# Altium PCB MU_MP_39_V1_ASMB.PcbDoc (part 8 of 15)
Units mm, origin at the board's own origin, x right, y up, seen from the top; angles counter-clockwise.
Board outline 133 x 94 mm, 8 copper layers (Top Layer, GND_1, POWER_1, POWER_2, GND_2, Inner_Layer, GND_3, Bottom Layer), stack 1.468 mm thick; 934 components, 729 nets, 4006 pads, 2645 vias.
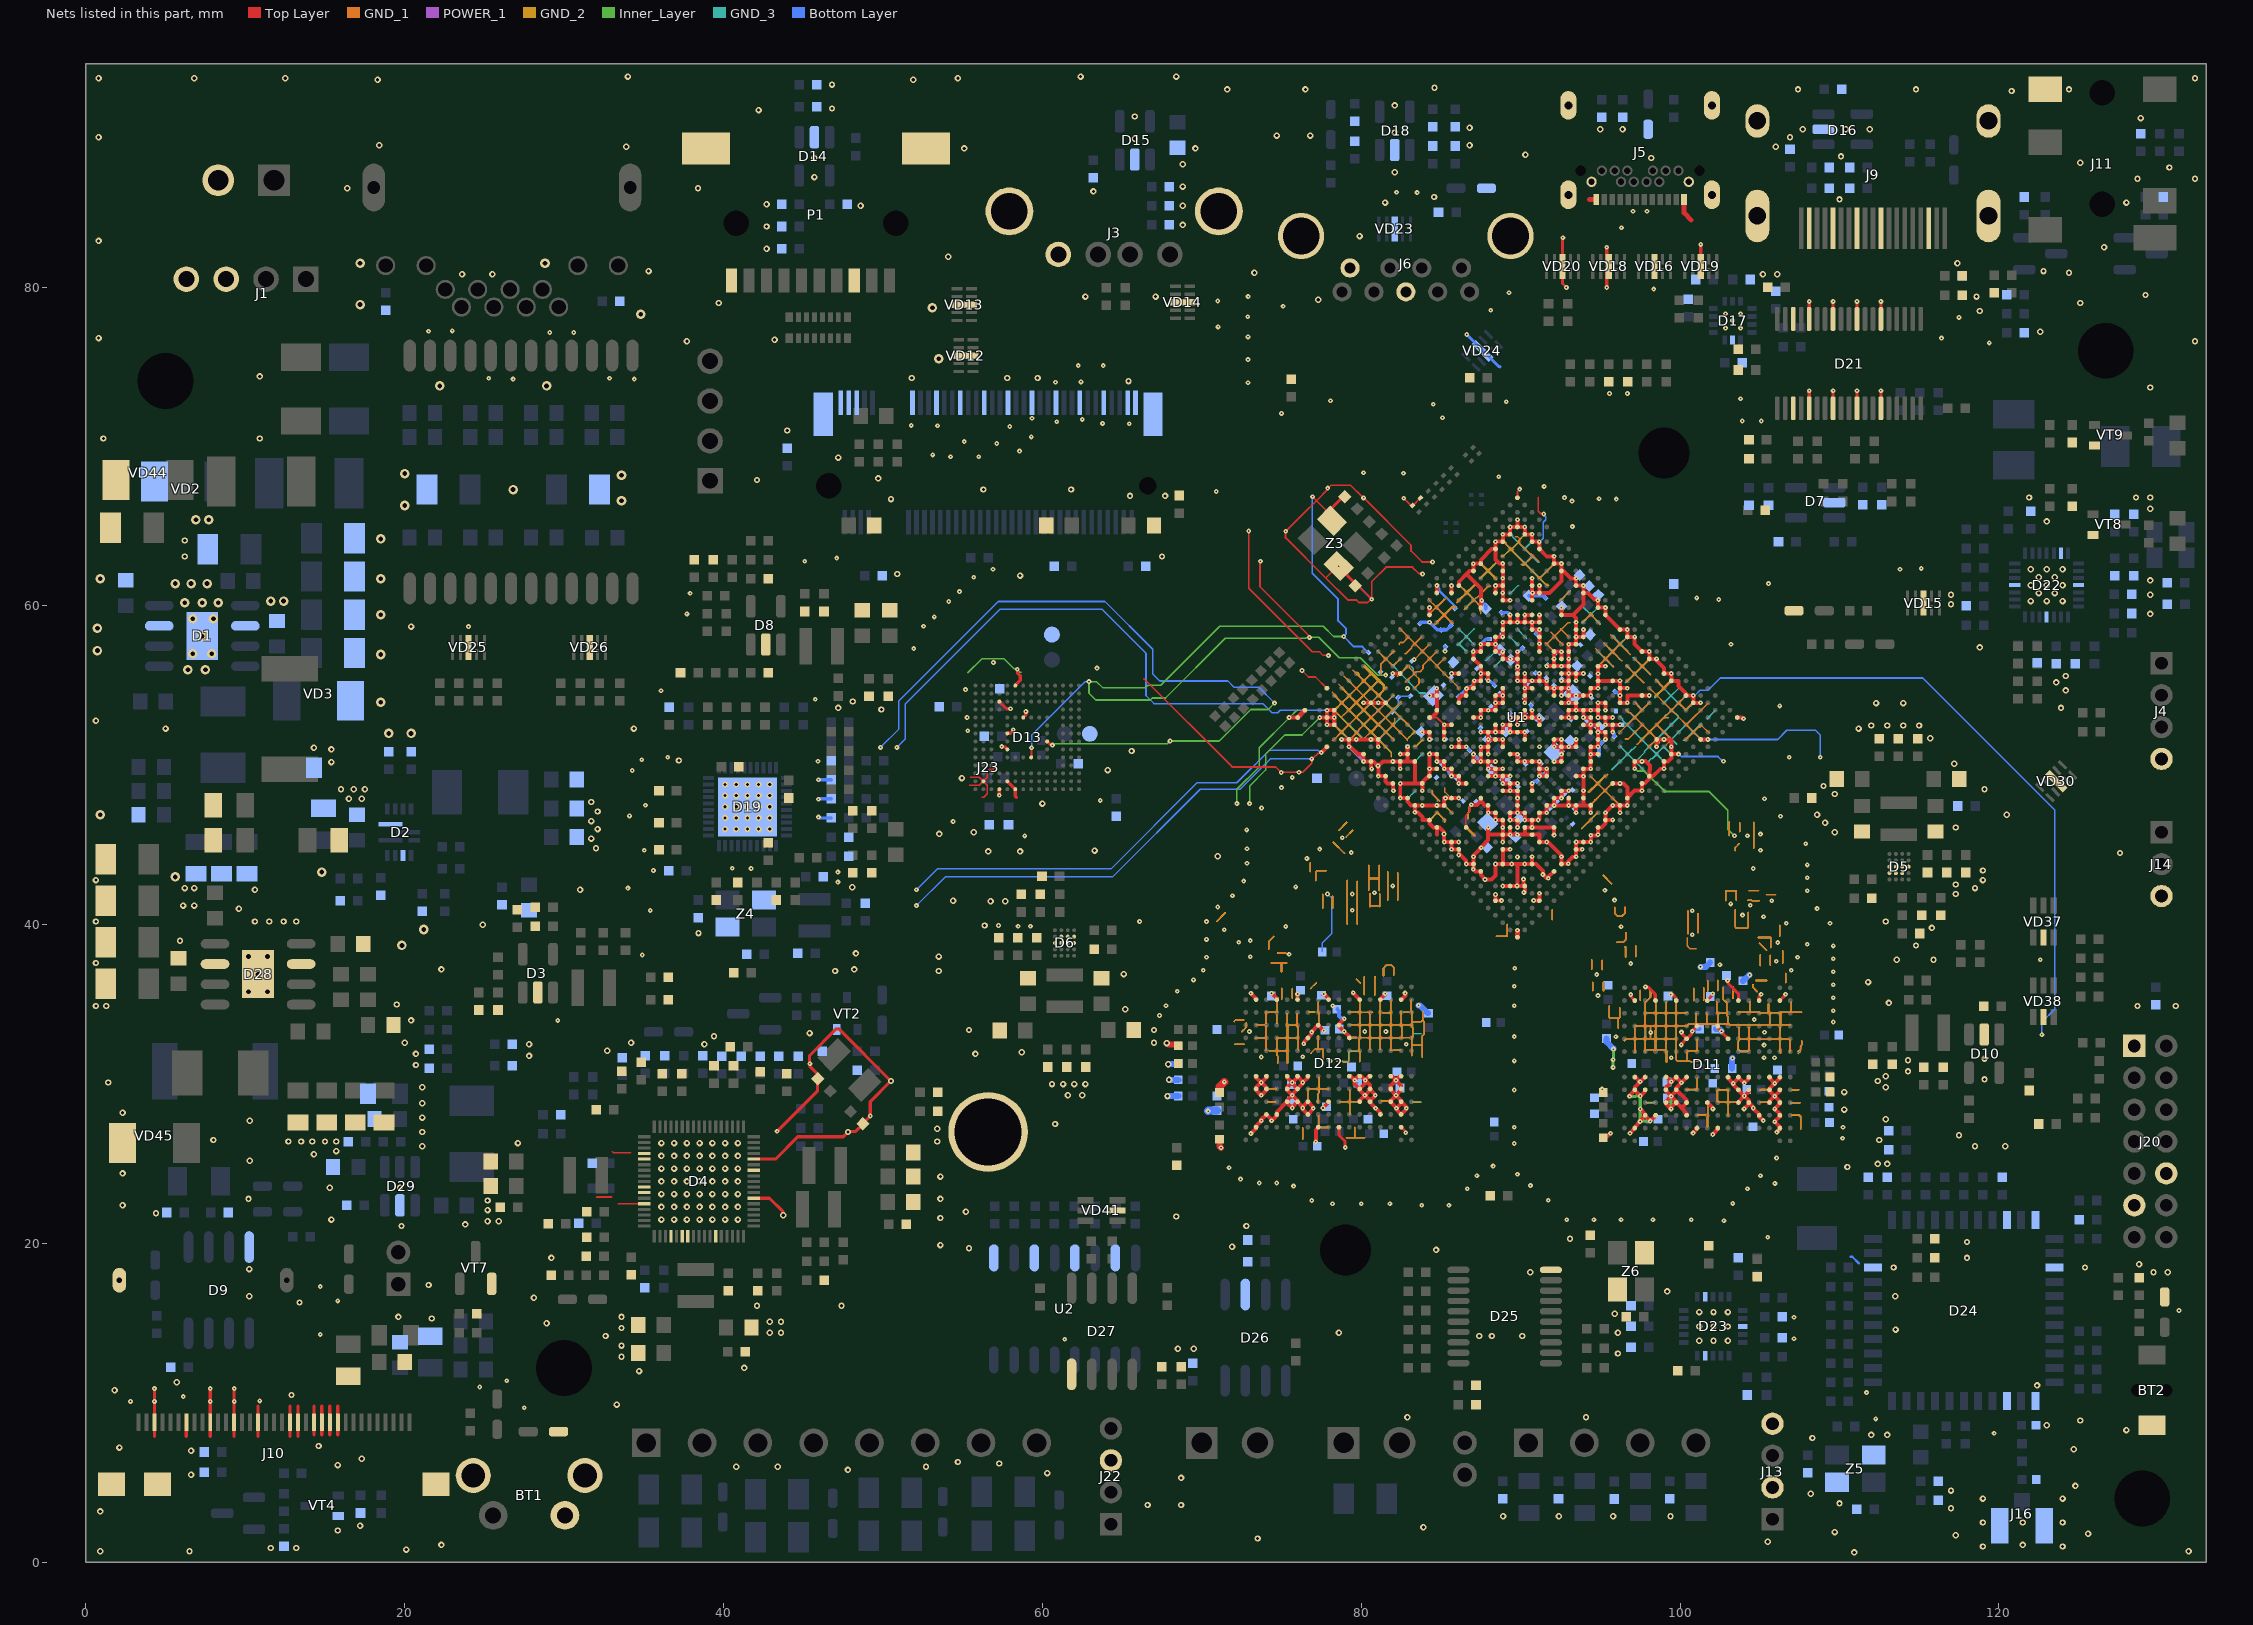
[diagram p14: the nets of this part, all layers, seen from the top]

## Via types
v1: diameter 0.3, hole 0.1, Top Layer to Bottom Layer, tented both sides, 1670 vias
v2: diameter 0.4, hole 0.2, Top Layer to Bottom Layer, tented both sides, 843 vias
v3: diameter 0.6, hole 0.3, Top Layer to Bottom Layer, tented both sides, 132 vias

## Nets (pads, with @x,y where several pads share a name; then routed paths per layer and width w, separated by ;. In a path a pad name is that pad's centre, name@x,y a point inside that pad or via, vN(x,y) a via of type N, cw(c..) or ccw(c..) an arc to the next point about the centre after c; other vN are vias at no path point) (continued)
GND: (continued)
  GND_1 w0.1: 70.95,40.225 71.475,40.75 ; 72.025,33.925 72.125,34.025 72.625,34.025 ; 72.075,32.5 72.675,32.5 ; 72.5,33.275 72.5,33.288 72.8,33.588 72.8,33.85 ; 73.4,33.725 73.925,33.725 ; 73.425,32.875 74.025,32.875 ; 74.025,32.15 74.025,32.875 ; 74.025,33.634 74.025,32.875 ; 74.025,33.811 74.025,34.511 ; 74.1,28.875 74.65,28.875 ; 74.15,29.7 74.65,29.7 ; 74.175,34.5 74.625,34.5 ; 74.2,38.45 74.2,38.95 74.525,39.275 ; 74.225,32.1 74.7,32.1 ; 74.375,37.6 75,37.6 ; 74.7,33.825 74.7,34.35 ; 74.725,34.55 74.725,35.15 ; 74.768,31.318 74.768,31.768 74.7,31.836 74.7,32.1 ; 74.775,38.225 75.25,38.225 ; 75,37.05 75,37.6 ; 75.025,35.325 75.025,36 ; 75.325,37.6 75,37.6 ; 75.35,34.4 75.35,33.7 ; 75.375,31.325 75.375,32.1 ; 75.675,35.4 75.675,35.975 ; 75.975,34.375 75.975,33.725 ; 76.05,32.15 76.05,32.875 ; 76.325,26.55 76.325,27.25 ; 76.65,28.9 76.65,29.575 ; 76.7,29.7 77.325,29.7 ; 76.8,43.325 76.8,43.875 ; 76.825,36 77.175,36.35 ; 76.85,31.95 77.1,32.2 77.3,32.2 ; 77.15,42.773 77.15,43.316 77.209,43.375 77.794,43.375 ; 77.275,28.8 77.299,28.824 77.299,29.404 77.325,29.431 77.325,29.7 ; 77.3,27.3 77.325,27.325 77.325,28.05 ; 77.3,33.025 77.3,32.2 ; 77.3,35.15 77.3,34.5 77.325,34.475 77.325,33.7 ; 77.325,30.475 77.325,29.7 ; 77.425,27.275 77.95,27.275 ; 77.575,41.025 77.575,41.9 ; 77.625,31.525 77.625,32.175 77.6,32.2 77.3,32.2 ; 77.95,29.675 77.925,29.7 77.325,29.7 ; 78.15,53.4 78.275,53.4 78.799,53.924 ; 78.175,51.575 78.258,51.575 78.754,52.071 ; 78.2,41.05 78.2,41.775 ; 78.2,54.575 78.472,54.303 78.472,54.251 78.799,53.924 ; 78.25,45.179 78.25,45.175 78.95,44.475 ; 78.325,52.625 78.325,52.5 78.754,52.071 ; 78.6,45.925 79.1,46.425 ; 78.6,55.075 78.932,54.743 78.932,54.715 79.261,54.386 ; 78.675,28.9 79.275,28.9 ; 78.75,53.025 78.886,53.161 78.904,53.161 79.234,53.49 ; 78.9,55.6 79.688,54.813 ; 79.05,26.625 79.6,26.625 ; 79.05,45.5 79.475,45.925 ; 79.125,40.025 79.125,42.8 ; 79.25,32.925 79.7,32.925 ; 79.275,28.125 79.275,28.9 ; 79.275,29.625 79.275,28.9 ; 79.275,34.5 79.9,34.5 ; 79.275,51.6 79.851,52.176 79.851,52.226 80.174,52.549 ; 79.3,33.725 79.9,33.725 ; 79.475,55.975 80.163,55.288 ; 79.6,27.3 79.6,26.625 ; 79.7,36.575 79.95,36.325 ; 79.75,40.025 79.75,42.725 ; 79.825,28.9 79.275,28.9 ; 79.9,31.4 79.9,32.025 79.875,32.05 79.875,32.85 79.9,32.875 79.9,33.725 ; 79.9,35.25 79.9,34.5 ; 80,32.9 80.525,32.9 ; 80.15,51.65 80.612,52.112 ; 80.2,35.625 80.2,36.725 ; 80.225,26.625 79.6,26.625 ; 80.475,42.175 80.475,42.9 ; 80.475,43.725 80.475,42.9 ; 80.525,32.2 80.525,32.9 ; 80.525,34.375 80.525,33.725 ; 80.55,41.125 80.55,41.2 ; 80.55,41.95 80.55,41.2 ; 80.675,55.8 80.163,55.288 ; 80.725,34.5 79.9,34.5 ; 80.85,35.575 80.85,36.7 80.875,36.725 ; 80.95,51.5 81.087,51.637 ; 81.025,57.175 81.544,56.656 ; 81.125,42.15 81.125,42.9 ; 81.125,43.725 81.125,42.9 ; 81.175,41.125 81.175,41.2 ; 81.175,41.95 81.175,41.2 ; 81.2,32.2 81.2,32.9 ; 81.2,35.275 81.2,34.575 81.175,34.55 81.175,33.725 ; 81.2,55.325 81.069,55.325 80.597,54.853 ; 81.225,28.925 81.775,28.925 ; 81.225,55.675 81.225,56.338 81.544,56.656 ; 81.35,34.475 81.725,34.475 ; 81.4,36.8 81.4,37.275 81.575,37.45 81.9,37.45 82.05,37.3 82.05,36.825 ; 81.475,51.125 81.475,51.249 81.087,51.637 ; 81.6,54.9 81.583,54.9 81.067,54.383 ; 81.675,41.525 81.675,43.325 ; 81.85,32.125 81.85,32.9 ; 81.85,35.275 81.85,33.725 ; 81.975,32.125 82.45,32.125 ; 82.05,51.55 82.05,51.597 81.549,52.098 ; 82.075,54.375 82,54.375 81.538,53.913 ; 82.1,52.95 82.1,52.65 81.975,52.525 ; 82.1,57.15 82.037,57.15 81.556,56.669 ; 82.275,55.575 82.913,56.213 ; 82.3,41.525 82.3,43.25 ; 82.375,57.575 82.375,57.625 82.454,57.704 82.632,57.704 82.808,57.88 82.808,57.9 82.946,58.038 82.963,58.038 ; 82.4,58.6 82.963,58.038 ; 82.5,34.525 82.5,33.725 ; 82.5,53.975 82.475,53.975 81.975,53.475 ; 82.55,32.875 82.55,32.9 ; 82.55,56.725 82.5,56.725 82.05,56.275 81.95,56.275 81.556,56.669 ; 82.7,34.5 82.975,34.5 ; 82.725,57 82.801,57 83.177,57.376 83.177,57.452 83.363,57.638 ; 82.775,55.225 83.008,55.458 83.032,55.458 83.308,55.734 ; 82.9,51.55 82.9,51.6 81.975,52.525 ; 83.05,32.9 82.55,32.9 ; 83.05,56.275 83.05,56.1 83.362,55.788 ; 83.15,35.275 83.15,34.575 83.175,34.55 83.175,33.925 ; 83.175,31.775 83.175,32.45 ; 83.325,54.825 83.623,55.123 83.623,55.422 83.437,55.609 83.433,55.609 83.308,55.734 ; v1(83.329,56.64) 83.34,56.64 83.85,57.15 ; 83.4,52.05 83.4,52.085 82.66,52.825 82.625,52.825 81.975,53.475 ; 83.8,58.075 83.668,57.943 83.668,57.932 83.492,57.756 83.481,57.756 83.363,57.638 ; 83.825,31.7 83.825,32.45 ; 83.85,34.55 83.85,34 ; 84.225,59.45 84.702,59.926 ; 84.225,60.475 84.225,60.403 84.702,59.926 ; 84.275,57.575 83.85,57.15 ; 84.45,48.425 84.45,48.225 84.925,47.75 ; 84.525,58.85 84.656,58.85 85.217,59.411 ; 84.75,47.1 84.906,46.944 84.906,46.903 85.275,46.534 85.275,46.475 ; 84.75,57.15 84.3,56.7 ; 85.2,47.5 85.225,47.5 85.75,46.975 ; 85.25,48.6 85.25,48.325 85.625,47.95 ; 85.3,56.725 85.224,56.725 84.75,56.25 ; 85.375,60.525 84.904,60.054 84.829,60.054 84.702,59.926 ; 85.734,58.894 85.528,59.1 85.217,59.411 ; 85.925,59.9 85.706,59.9 85.217,59.411 ; 86.001,60.2 86.458,60.658 86.483,60.658 86.638,60.813 ; 86.05,61.4 86.638,60.813 ; 86.1,54.775 86.1,54.879 84.903,56.076 84.903,56.097 84.75,56.25 ; 86.475,59.775 87.075,60.375 ; 86.55,46.175 87.15,45.575 ; 86.675,46.7 86.675,46.975 86.765,47.065 86.765,47.365 86.9,47.499 v1(86.9,47.523) ; 87.15,61.325 86.638,60.813 ; 87.425,61.725 87.461,61.725 87.963,62.227 ; 87.5,59.525 87.5,59.95 87.075,60.375 ; 87.5,62.7 87.663,62.537 87.663,62.527 87.963,62.227 ; 88.125,61.225 87.974,61.225 87.251,60.502 87.202,60.502 87.075,60.375 ; 88.425,61.75 88.425,61.775 88.308,61.892 88.298,61.892 87.963,62.227 ; 88.475,39.275 89.15,39.275 89.15,40.025 ; 88.525,62.725 88.45,62.725 88.263,62.538 88.263,62.527 87.963,62.227 ; 88.925,64.125 89.098,63.952 89.098,63.852 89.425,63.525 89.575,63.525 ; 89.675,64.35 89.8,64.35 89.957,64.193 89.957,63.899 90.586,63.271 90.654,63.271 90.788,63.138 ; 90.05,62.6 90.244,62.6 90.597,62.953 90.603,62.953 90.788,63.138 ; 91.1,61.8 91.275,61.8 92.125,62.65 ; 91.125,62.775 91.125,62.8 90.788,63.138 ; 91.55,57.675 91.575,57.675 91.638,57.613 ; 91.9,58.35 92.138,58.113 ; 91.975,40.325 91.975,40.925 ; 92.2,57.05 91.638,57.613 ; 92.425,60.275 93.05,60.9 93.125,60.9 ; 92.5,58.575 92.55,58.525 ; 92.65,57.55 92.65,57.581 92.475,57.756 92.434,57.756 92.258,57.932 92.258,57.992 92.138,58.113 ; 93.025,58.025 93.025,58.05 92.55,58.525 ; 93.125,58.95 92.975,58.95 92.55,58.525 ; 93.85,58.975 94.01,59.135 94.061,59.135 94.427,59.5 94.45,59.5 ; 93.875,46.075 94.425,46.625 ; 94.3,48.3 94.85,48.85 ; 94.375,47.625 94.496,47.625 95.286,48.414 ; 94.375,59.575 94.45,59.5 ; 94.4,49.3 94.85,48.85 ; 94.45,37.2 94.45,37.8 ; 94.525,35.85 94.525,36.4 ; 94.725,57.35 94.725,57.304 95.262,56.766 95.339,56.689 ; 94.8,56.125 94.8,56.15 95.339,56.689 ; 94.975,58.825 94.975,58.892 94.556,59.311 94.556,59.394 94.45,59.5 ; 95.1,37.2 95.1,37.75 ; 95.125,37.175 95.125,37.775 ; 95.175,43.1 95.7,42.575 ; 95.2,35.875 95.2,36.4 ; 95.225,57.675 95.775,57.125 ; 95.45,49.425 95.425,49.425 94.85,48.85 ; 95.55,34.925 95.55,34.175 95.6,34.125 96.125,34.125 ; 95.65,58.175 96.238,57.588 ; 95.8,56.15 95.8,56.229 95.339,56.689 ; 95.845,48.974 95.286,48.414 ; 95.9,41.1 95.9,40.714 ; 96.025,38.9 96.425,38.9 ; 96.125,33.5 96.125,34.125 ; 96.175,51.975 96.175,52.025 97.17,53.02 ; 96.225,34.8 96.225,34.184 96.166,34.125 96.125,34.125 ; 96.275,47.375 96.275,47.425 95.286,48.414 ; 96.363,40.537 96.55,40.724 ; 96.375,56.55 96.35,56.55 95.775,57.125 ; 96.5,32.725 96.625,32.85 ; 96.55,41.1 96.55,40.725 96.362,40.537 ; 96.575,32.85 96.625,32.85 ; 96.575,38 96.575,38.6 ; 96.575,51.65 96.75,51.65 97.645,52.545 ; 96.6,37.95 96.6,38.625 ; 96.6,39.5 96.6,39.338 96.602,39.336 96.602,39.077 ; 96.6,53.475 96.784,53.291 96.899,53.291 97.17,53.02 ; 96.6,55.225 96.625,55.225 97.15,55.75 ; 96.625,39.481 96.625,39.1 96.602,39.077 ; 96.625,56.275 97.15,55.75 ; 96.7,58.05 96.238,57.588 ; 96.875,56.925 96.875,56.95 96.238,57.588 ; 97.15,33.5 97.15,32.85 ; 97.15,56.7 97.625,56.225 ; 97.175,32.025 97.175,32.515 97.15,32.54 97.15,32.85 ; 97.2,53.95 97.313,53.837 97.313,53.762 97.613,53.463 ; 97.225,38 97.225,38.65 ; 97.25,33.625 97.8,33.625 ; 97.25,33.675 97.8,33.675 ; 97.3,51.325 97.325,51.325 98.095,52.095 ; 97.5,35.275 97.5,35.875 ; 97.75,55.175 97.725,55.175 97.15,55.75 ; 97.825,32.025 97.825,32.15 ; 97.85,33.675 98.475,33.675 ; 98,51.125 98.533,51.658 ; 98.075,53.925 97.613,53.463 ; 98.1,54.85 98.1,54.825 98.55,54.375 ; 98.125,55.675 98.125,55.725 97.625,56.225 ; 98.15,35.875 98.15,35.45 97.825,35.125 97.825,34.475 ; 98.15,56.75 97.625,56.225 ; 98.451,32.15 97.825,32.15 ; 98.463,32.138 98.463,32.85 ; 98.475,32.15 99.092,32.15 ; 98.475,35.125 98.475,34.475 ; 98.475,55.375 99.013,54.838 ; 98.7,51.375 98.7,51.49 98.533,51.658 ; 99.125,35.125 99.125,34.475 ; 99.125,51.25 99.125,51.275 99.463,51.613 98.975,52.1 98.538,52.538 ; 99.15,31.375 99.15,32.025 99.092,32.083 99.092,32.15 ; 99.525,55.35 99.013,54.838 ; 99.775,35.275 99.775,34.475 ; 100.275,51.6 100.363,51.6 100.844,52.081 ; 100.375,54.375 99.925,53.925 ; 100.4,29.675 101.016,29.675 101.075,29.734 101.075,30.4 ; 100.425,34.475 99.775,34.475 ; 100.45,39.175 100.45,38.675 100.625,38.5 101.025,38.5 ; 100.5,39.45 100.5,40.875 ; 100.85,35.25 100.85,36 ; 100.95,53.925 100.8,53.925 100.363,53.488 99.925,53.925 ; 101.025,34.425 101.025,33.775 ; 101.075,32.775 101.075,32.1 ; 101.125,28.05 101.6,28.05 ; 101.125,32.1 101.075,32.1 ; 101.125,39.5 101.125,40.7 ; 101.175,31.425 100.861,31.425 100.852,31.416 100.661,31.416 100.652,31.425 100.45,31.425 ; 101.35,51.575 100.844,52.081 ; 101.475,35.275 101.475,36.058 ; 101.675,34.45 101.675,33.775 ; 101.725,27.325 101.725,27.925 101.75,27.95 101.75,28.725 ; 101.75,35.825 101.75,36.475 ; 101.75,53.9 100.388,52.538 ; 101.825,52.025 101.35,52.5 101.232,52.382 101.145,52.382 100.844,52.081 ; 102.3,35.15 102.3,34.45 102.375,34.375 ; 102.35,29.525 102.35,28.934 102.409,28.875 103.025,28.875 ; 102.375,29.625 102.966,29.625 103.025,29.566 103.025,28.875 ; 102.375,35.85 102.375,36.525 ; 102.7,36.075 102.7,35.325 102.925,35.1 102.925,34.45 ; 102.875,41.5 102.875,42.125 103.525,42.125 103.525,41.55 ; 103.025,28 103.025,28.875 ; 103.075,45.575 103.075,46.45 ; 103.325,35.4 103.325,36.1 ; 103.475,40.95 103.475,39.834 103.534,39.775 104.216,39.775 104.275,39.834 104.275,40.775 ; 103.475,44.65 103.475,44.85 103.7,45.075 ; 103.575,28.875 103.025,28.875 ; 103.625,32.15 103.625,32.65 ; 103.7,34.525 103.725,34.5 104.35,34.5 ; 103.725,32.825 103.725,33.525 ; 103.75,45.85 103.75,46.4 ; 103.8,32.825 104.325,32.825 ; 103.825,32.025 104.175,32.025 ; 104.25,41.525 104.489,41.525 104.514,41.5 104.98,41.5 ; 104.3,42.125 104.95,42.125 ; 104.325,32.1 104.325,32.825 ; 104.325,33.55 104.325,32.825 ; 104.375,35.175 104.375,34.525 104.35,34.5 ; 104.575,36.225 104.575,36.075 104.85,35.8 ; 104.625,44.8 104.625,46.425 ; 104.75,36.5 105.45,36.5 ; 104.9,39.2 105.675,39.2 105.7,39.175 105.7,38.55 ; 104.975,38.85 105.425,38.4 ; 105.025,37.436 105.025,38.111 ; 105.075,28.875 105.525,28.875 105.55,28.9 ; 105.1,29.675 105.45,29.675 ; 105.4,41.875 106,41.875 ; 105.55,35.05 105.55,34.475 ; 105.65,37.45 105.65,38.075 ; 106.25,33.55 106.25,33.382 106.263,33.37 106.263,32.825 ; 106.25,39.275 106.25,39.975 ; 106.263,32.824 106.255,32.816 106.255,32.27 106.3,32.225 106.3,31.95 ; 106.45,37.6 106.45,38.35 ; 106.625,36.375 106.625,36.95 ; 106.9,32.125 106.9,32.7 ; 106.925,32.825 106.263,32.825 ; 106.925,33.725 106.3,33.725 ; 106.975,28.825 107.5,28.825 ; 106.975,35.15 106.975,34.5 ; 107,28.075 107.5,28.075 107.575,28 107.575,27.2 ; 107.075,29.65 107.475,29.65 ; 107.425,31.95 107.585,32.11 107.585,32.398 107.65,32.463 107.65,32.7 ; 107.625,34.5 106.975,34.5 ; 74.7,32.1 74.7,32.875 75.375,32.875 ; 74.7,32.1 75.375,32.1 ; 75.35,33.7 75.35,33.625 75.375,33.6 75.375,32.875 ; 75.35,33.7 75.95,33.7 75.975,33.725 ; 75.375,32.1 75.375,32.875 ; 75.375,32.875 76.05,32.875 ; 75.975,33.725 75.975,33.65 76.05,33.575 76.05,32.875 ; 78.754,52.071 79.704,53.02 ; 78.799,53.924 79.261,54.386 ; 78.799,53.924 79.234,53.49 ; 79.234,53.49 79.695,53.952 ; 79.234,53.49 79.704,53.02 ; 79.261,54.386 79.695,53.952 ; 79.261,54.386 79.688,54.813 ; 79.688,54.813 80.122,54.378 ; 79.688,54.813 80.163,55.288 ; 79.695,53.952 80.122,54.378 ; 79.695,53.952 80.165,53.482 ; 79.704,53.02 80.165,53.482 ; 79.704,53.02 80.174,52.549 ; 79.9,33.725 79.9,34.5 ; 79.9,33.725 80.525,33.725 ; 80.122,54.378 80.592,53.908 ; 80.122,54.378 80.597,54.853 ; 80.163,55.288 80.597,54.853 ; 80.165,53.482 80.592,53.908 ; 80.165,53.482 80.636,53.011 ; 80.174,52.549 80.636,53.011 ; 80.174,52.549 80.612,52.112 ; 80.475,42.9 81.125,42.9 ; 80.525,32.9 80.525,33.725 ; 80.525,32.9 81.2,32.9 ; 80.525,33.725 81.175,33.725 ; 80.55,41.2 81.175,41.2 ; 80.592,53.908 81.063,53.438 ; 80.592,53.908 81.067,54.383 ; 80.597,54.853 81.067,54.383 ; 80.612,52.112 81.087,51.637 ; 80.612,52.112 81.074,52.573 ; 80.636,53.011 81.063,53.438 ; 80.636,53.011 81.074,52.573 ; 81.063,53.438 81.5,53 ; 81.063,53.438 81.538,53.913 ; 81.067,54.383 81.538,53.913 ; 81.074,52.573 81.5,53 ; 81.074,52.573 81.549,52.098 ; 81.087,51.637 81.549,52.098 ; 81.175,33.725 81.175,33.625 81.2,33.6 81.2,32.9 ; 81.175,33.725 81.85,33.725 ; 81.2,32.9 81.85,32.9 ; 81.5,53 81.975,52.525 ; 81.5,53 81.975,53.475 ; 81.538,53.913 81.975,53.475 ; 81.544,56.656 81.556,56.669 ; 81.549,52.098 81.975,52.525 ; 81.85,32.9 81.85,33.725 ; 81.85,32.9 82.55,32.9 ; 81.85,33.725 82.5,33.725 ; 82.5,33.725 83.15,33.725 83.175,33.7 ; 82.5,33.725 82.5,33.625 82.55,33.575 82.55,32.9 ; 82.963,58.038 83.363,57.638 ; 83.175,32.45 83.825,32.45 ; 83.175,32.45 83.175,32.95 83.225,33 83.225,33.55 83.175,33.6 83.175,33.7 ; 83.175,33.7 83.175,33.925 ; 83.175,33.925 83.775,33.925 83.85,34 ; 83.308,55.734 83.362,55.788 ; 83.362,55.788 83.449,55.875 83.699,55.875 83.875,56.051 83.875,56.275 84.3,56.7 ; 83.363,57.638 83.85,57.15 ; 83.825,32.45 83.825,33.025 83.95,33.15 83.95,33.9 83.85,34 ; 83.85,57.15 84.3,56.7 ; 84.3,56.7 84.75,56.25 ; 84.702,59.926 85.217,59.411 ; 86.638,60.813 87.075,60.375 ; 91.638,57.613 92.138,58.113 ; 92.138,58.113 92.55,58.525 ; 94.85,48.85 95.286,48.414 ; 95.339,56.689 95.775,57.125 ; 95.775,57.125 96.238,57.588 ; 95.9,40.714 95.9,40.7 96.075,40.525 96.35,40.525 96.362,40.537 ; 95.9,40.714 96.077,40.537 96.362,40.537 ; 96.425,38.9 96.602,39.077 ; 96.425,38.9 96.45,38.9 96.602,39.052 96.602,39.077 ; 96.625,32.85 97.15,32.85 ; 97.15,32.85 97.825,32.85 ; 97.15,55.75 97.625,56.225 ; 97.17,53.02 97.613,53.463 ; 97.17,53.02 97.645,52.545 ; 97.645,52.545 98.095,52.095 ; 97.8,33.625 97.85,33.625 ; 97.8,33.625 97.8,33.675 ; 97.8,33.675 97.8,34.3 97.825,34.325 97.825,34.475 ; 97.825,32.15 97.825,32.85 ; 97.825,32.85 97.85,32.85 ; 97.825,34.475 98.475,34.475 ; 97.85,32.85 98.15,32.85 ; 97.85,32.85 97.85,33.625 ; 97.85,33.625 98.15,33.625 ; 98.095,52.095 98.533,51.658 ; 98.095,52.095 98.538,52.538 ; 98.15,32.85 98.463,32.85 ; 98.15,32.85 98.15,33.233 v1(98.163,33.245) 98.15,33.258 98.15,33.625 ; 98.15,33.625 98.475,33.625 ; 98.463,32.85 98.463,33.37 98.475,33.382 98.475,33.625 ; 98.463,32.85 99.125,32.85 ; 98.475,33.625 98.475,33.675 ; 98.475,33.625 99.125,33.625 ; 98.475,33.675 99.125,33.675 ; 98.475,33.675 98.475,34.475 ; 98.475,34.475 99.125,34.475 ; 98.538,52.538 99.463,53.463 ; 98.55,54.375 99.013,54.838 ; 98.55,54.375 99.013,53.913 99.463,53.463 ; 99.092,32.15 99.092,32.542 99.125,32.575 99.125,32.85 ; 99.125,32.85 99.125,33.625 ; 99.125,32.85 99.775,32.85 ; 99.125,33.625 99.125,33.675 ; 99.125,33.625 99.775,33.625 ; 99.125,33.675 99.125,34.475 ; 99.125,33.675 99.775,33.675 ; 99.125,34.475 99.775,34.475 ; 99.463,53.463 99.925,53.925 ; 99.463,53.463 99.9,53.025 100.388,52.538 ; 99.775,32.85 99.775,33.625 ; 99.775,32.85 99.775,31.5 99.85,31.425 100.45,31.425 ; 99.775,33.625 99.775,33.675 ; 99.775,33.675 99.775,34.475 ; 99.775,33.675 100.45,33.675 100.536,33.761 100.815,33.761 100.829,33.775 101.025,33.775 ; 100.388,52.538 100.844,52.081 ; 100.45,31.425 100.45,32.1 101.075,32.1 ; 101.025,33.775 101.675,33.775 ; 101.675,33.775 102.375,33.775 ; 102.375,33.775 102.375,33.929 102.374,33.93 102.374,34.178 102.375,34.179 102.375,34.375 ; 102.375,33.775 102.529,33.775 102.55,33.754 102.798,33.754 102.819,33.775 103,33.775 ; 102.375,34.375 102.45,34.45 102.925,34.45 ; 102.925,34.45 102.925,34.325 103,34.25 103,33.775 ; 103,33.775 103.075,33.775 103.125,33.725 105.625,33.725 ; 104.325,32.825 106.263,32.825 ; 104.35,34.5 104.975,34.5 105,34.475 105.55,34.475 ; 105.55,34.475 105.625,34.475 ; 105.625,33.725 105.625,34.475 ; 105.625,33.725 106.3,33.725 ; 105.625,34.475 106.3,34.475 ; 106.3,33.725 106.3,34.475 ; 106.3,34.475 106.325,34.5 106.975,34.5
  GND_2 w0.1: 70.95,40.225 71.475,40.75 ; 72.025,33.925 72.125,34.025 72.625,34.025 ; 72.075,32.5 72.675,32.5 ; 72.5,33.275 72.5,33.288 72.8,33.588 72.8,33.85 ; 73.35,32.875 74.025,32.875 ; 73.5,33.725 73.9,33.725 ; 74.025,32.15 74.025,32.875 ; 74.025,33.634 74.025,32.875 ; 74.025,33.811 74.025,34.511 ; 74.15,28.9 74.625,28.9 ; 74.15,29.7 74.7,29.7 ; 74.175,34.5 74.625,34.5 ; 74.2,38.45 74.2,38.95 74.525,39.275 ; 74.225,32.1 74.7,32.1 ; 74.375,37.6 75,37.6 ; 74.7,33.825 74.7,34.35 ; 74.725,34.55 74.725,35.15 ; 74.768,31.318 74.768,31.768 74.7,31.836 74.7,32.1 ; 74.775,38.225 75.25,38.225 ; 75,37.05 75,37.6 ; 75.025,35.325 75.025,36 ; 75.325,37.6 75,37.6 ; 75.35,34.4 75.35,33.7 ; 75.375,31.325 75.375,32.1 ; 75.675,35.4 75.675,35.975 ; 75.975,34.375 75.975,33.725 ; 76.05,32.15 76.05,32.875 ; 76.325,26.55 76.325,27.25 ; 76.625,28.95 76.65,28.975 76.65,29.575 ; 76.65,29.7 77.35,29.7 ; 76.7,34.525 77.075,34.525 ; 76.8,43.325 76.8,43.875 ; 76.825,36 77.175,36.35 ; 76.85,31.95 77.1,32.2 77.3,32.2 ; 77.15,42.773 77.15,43.316 77.209,43.375 77.794,43.375 ; 77.2,28.9 77.299,28.999 77.299,29.404 77.35,29.456 77.35,29.7 ; 77.3,33.025 77.3,32.2 ; 77.3,35.15 77.3,34.5 77.325,34.475 77.325,33.7 ; 77.325,28.025 77.325,27.359 77.384,27.3 77.925,27.3 ; 77.35,30.425 77.35,29.7 ; 77.575,41.025 77.575,41.9 ; 77.625,31.525 77.625,32.175 77.6,32.2 77.3,32.2 ; 77.95,29.7 77.35,29.7 ; 78.2,41.05 78.2,41.775 ; 78.25,45.179 78.25,45.175 78.95,44.475 ; 78.3,52.675 78.3,52.55 78.775,52.075 ; 78.325,54.375 78.788,53.913 ; 78.475,31.425 78.825,31.425 78.875,31.375 79.166,31.375 79.225,31.434 79.225,32 ; 78.6,45.925 79.1,46.425 ; 78.7,28.9 79.275,28.9 ; 78.75,54.875 79.235,54.385 ; 79.05,26.625 79.6,26.625 ; 79.05,45.5 79.475,45.925 ; 79.125,40.025 79.125,42.8 ; 79.2,51.65 78.775,52.075 ; 79.275,28.125 79.275,28.9 ; 79.275,29.625 79.275,28.9 ; 79.3,33.725 79.9,33.725 ; 79.3,34.5 79.75,34.5 ; 79.35,32.075 79.75,32.075 ; 79.35,32.9 79.725,32.9 ; 79.6,27.3 79.6,26.625 ; 79.688,53.013 80.143,53.468 ; 79.7,36.575 79.95,36.325 ; 79.725,55.8 79.775,55.8 79.887,55.688 79.887,55.598 80.18,55.305 ; 79.75,40.025 79.75,42.725 ; 79.9,31.4 79.9,32.025 79.875,32.05 79.875,32.85 79.9,32.875 79.9,33.725 ; 79.9,35.25 79.9,33.725 ; 79.925,28.9 79.275,28.9 ; 80.075,51.675 79.202,52.548 ; 80.2,35.625 80.2,36.725 ; 80.225,26.625 79.6,26.625 ; 80.475,42.175 80.475,42.9 ; 80.475,43.725 80.475,42.9 ; 80.525,32.2 80.525,33.725 ; 80.525,34.375 80.525,33.725 ; 80.55,41.125 80.55,41.2 ; 80.55,41.95 80.55,41.2 ; 80.62,55.745 80.18,55.305 ; 80.7,32.9 81.05,32.9 ; 80.85,35.575 80.85,36.7 80.875,36.725 ; 81.125,42.15 81.125,42.9 ; 81.125,43.725 81.125,42.9 ; 81.15,52.45 81.075,52.525 ; 81.175,41.125 81.175,41.2 ; 81.175,41.95 81.175,41.2 ; 81.2,32.2 81.2,33.6 81.175,33.625 81.175,33.725 ; 81.2,35.275 81.2,34.575 81.175,34.55 81.175,33.725 ; 81.3,28.95 81.9,28.95 ; 81.35,34.475 81.85,34.475 ; 81.4,36.8 81.4,37.275 81.575,37.45 81.9,37.45 82.05,37.3 82.05,36.825 ; 81.675,41.525 81.675,43.325 ; 81.85,32.125 81.85,33.725 ; 81.85,35.275 81.85,34.475 ; 81.875,50.55 81.875,50.825 80.625,52.075 ; 81.95,32.9 82.4,32.9 ; 82,32.125 82.475,32.125 ; 82.025,52.65 82.025,52.475 82.875,51.625 83.032,51.782 83.35,52.1 83.4,52.1 ; 82.3,41.525 82.3,43.25 ; 82.5,34.525 82.5,33.725 ; 82.55,32.875 82.55,33.575 82.5,33.625 82.5,33.725 ; 82.675,34.5 83,34.5 ; 83.15,35.275 83.15,34.575 83.175,34.55 83.175,33.925 ; 83.175,31.775 83.175,32.45 ; 83.3,28.875 83.7,28.875 ; 83.3,51.2 83.44,51.2 83.815,51.575 83.875,51.575 ; 83.825,31.7 83.825,32.45 ; 83.85,34.55 83.85,34 ; 84.2,46.55 84.291,46.55 84.775,47.034 85.25,46.559 85.25,46.425 ; 84.725,58.975 85.188,59.438 ; 85.2,60.4 85.196,60.4 85.046,60.25 85.046,60.23 84.871,60.054 84.829,60.054 84.675,59.9 84.725,59.9 85.188,59.438 ; 85.725,58.9 85.188,59.438 ; 85.8,59.975 85.725,59.975 85.188,59.438 ; 86.05,60.35 86.125,60.35 86.6,60.825 ; 86.161,61.314 86.625,60.85 ; 86.55,46.15 86.55,46.1 87.075,45.575 ; 86.575,59.875 87.075,60.375 87.1,60.375 ; 86.7,46.65 86.7,47 86.765,47.065 86.765,47.365 86.9,47.499 v1(86.9,47.523) ; 87.175,61.3 87.075,61.3 86.625,60.85 ; 87.425,59.7 87.425,60.05 87.1,60.375 ; 87.5,61.775 87.617,61.892 87.628,61.892 87.943,62.207 ; 87.5,62.65 87.943,62.207 ; 88.475,39.275 89.15,39.275 89.15,40.025 ; 88.475,61.65 88.475,61.675 87.943,62.207 ; 88.475,62.725 88.45,62.725 88.263,62.538 88.263,62.527 87.943,62.207 ; 88.775,63.125 88.931,63.125 89.366,63.559 ; 88.9,64.05 89.378,63.572 ; 90.249,64.474 89.848,64.073 89.848,63.973 89.451,63.576 89.383,63.576 89.378,63.572 ; 91.775,61.3 91.625,61.3 89.366,63.559 ; 91.975,40.325 91.975,40.925 ; 93.825,46.025 94.825,47.025 94.85,47.025 ; 94.25,48.325 94.493,48.568 94.52,48.568 95.277,49.325 95.35,49.325 ; 94.45,37.2 94.45,37.8 ; 94.525,35.85 94.525,36.4 ; 94.65,47.825 94.7,47.825 95.8,48.925 ; 95.125,37.175 95.125,37.775 ; 95.175,43.1 95.7,42.575 ; 95.2,35.875 95.2,36.4 ; 95.55,34.925 95.55,34.175 95.6,34.125 96.125,34.125 ; 95.9,41.1 95.9,40.7 96.075,40.525 96.35,40.525 96.55,40.725 96.55,41.1 ; 96.025,38.9 96.45,38.9 96.602,39.052 96.602,39.336 96.6,39.338 96.6,39.5 ; 96.125,33.5 96.125,34.125 ; 96.225,34.8 96.225,34.184 96.166,34.125 96.125,34.125 ; 96.5,32.725 96.625,32.85 97.15,32.85 ; 96.55,38.625 96.6,38.575 ; 96.6,37.95 96.6,38.575 ; 96.6,38.625 96.6,38.575 ; 96.675,55.275 96.7,55.275 98.1,56.675 ; 97.15,33.5 97.15,32.85 ; 97.175,32.025 97.175,32.515 97.15,32.54 97.15,32.85 ; 97.175,33.675 97.8,33.675 ; 97.225,38 97.225,38.675 ; 97.475,51.5 98.088,52.112 ; 97.5,35.275 97.5,35.875 ; 97.825,32.025 97.825,32.15 ; 97.925,28.825 98.3,28.825 ; 98.15,35.875 98.15,35.45 97.825,35.125 97.825,34.475 ; 98.425,54.325 98.639,54.539 98.657,54.539 99.417,55.3 99.55,55.3 ; 98.451,32.15 97.825,32.15 ; 98.463,32.138 98.463,32.85 ; 98.475,32.15 99.092,32.15 ; 98.475,35.125 98.475,34.475 ; 98.575,51.525 98.575,51.615 98.232,51.958 98.232,51.993 98.113,52.112 98.088,52.112 ; 99.125,35.125 99.125,34.475 ; 99.15,31.375 99.15,32.025 99.092,32.083 99.092,32.15 ; 99.25,52.975 98.95,52.975 98.088,52.112 ; 99.725,32.85 99.125,32.85 ; 99.775,35.275 99.775,34.475 ; 100.4,29.65 101.016,29.65 101.075,29.709 101.075,30.375 ; 100.425,34.475 99.775,34.475 ; 100.45,32 100.45,31.425 ; 100.45,32.1 101.016,32.1 101.075,32.159 101.075,32.8 ; 100.5,39.45 100.5,40.85 ; 100.85,35.25 100.85,36 ; 101.025,34.425 101.025,33.775 ; 101.125,28.075 101.6,28.075 ; 101.125,39.5 101.125,40.7 ; 101.175,31.425 100.861,31.425 100.852,31.416 100.661,31.416 100.652,31.425 100.45,31.425 ; 101.475,35.275 101.475,36.058 ; 101.675,34.45 101.675,33.775 ; 101.725,27.325 101.725,27.925 101.75,27.95 101.75,28.725 ; 101.75,35.825 101.75,36.475 ; 102.3,35.15 102.3,34.45 102.375,34.375 ; 102.375,35.85 102.375,36.525 ; 102.7,36.075 102.7,35.325 102.925,35.1 102.925,34.45 ; 102.875,41.5 102.875,42.125 103.525,42.125 103.525,41.55 ; 103.025,28.05 103.025,28.875 ; 103.075,45.575 103.075,46.45 ; 103.325,35.4 103.325,36.1 ; 103.475,40.95 103.475,39.834 103.534,39.775 104.216,39.775 104.275,39.834 104.275,40.775 ; 103.475,44.65 103.475,44.85 103.7,45.075 ; 103.675,28.875 103.025,28.875 ; 103.7,34.525 103.725,34.5 104.35,34.5 ; 103.725,33.525 103.725,32.775 103.65,32.7 103.65,32.2 103.775,32.075 104.266,32.075 104.325,32.134 104.325,32.825 ; 103.75,45.85 103.75,46.4 ; 103.8,32.825 104.325,32.825 ; 104.25,41.525 104.489,41.525 104.514,41.5 104.98,41.5 ; 104.325,33.575 104.325,32.825 ; 104.375,35.175 104.375,34.525 104.35,34.5 ; 104.575,36.225 104.575,36.075 104.85,35.8 ; 104.625,44.8 104.625,46.425 ; 104.75,36.5 105.45,36.5 ; 104.875,32.825 104.325,32.825 ; 104.9,39.2 105.675,39.2 105.7,39.175 105.7,38.55 ; 104.975,38.85 105.425,38.4 ; 105.025,29.65 105.5,29.65 ; 105.025,37.436 105.025,38.111 ; 105.05,28.875 105.5,28.875 ; 105.55,35.05 105.55,34.475 ; 105.65,37.45 105.65,38.075 ; 105.675,32.825 106.25,32.825 ; 106.25,32.05 106.25,32.825 ; 106.25,39.275 106.25,39.975 ; 106.275,33.6 106.275,33.339 106.268,33.332 106.268,33.126 106.25,33.109 106.25,32.825 ; 106.45,37.6 106.45,38.35 ; 106.625,36.375 106.625,36.95 ; 106.875,32 106.875,32.766 106.816,32.825 106.25,32.825 ; 106.925,33.725 106.3,33.725 ; 106.975,28.825 107.55,28.825 ; 106.975,35.15 106.975,34.5 ; 107,28.05 107.5,28.05 107.575,27.975 107.575,27.175 ; 107,29.625 107.425,29.625 ; 107.375,32.025 107.585,32.235 107.585,32.398 107.625,32.438 107.625,32.725 ; 107.625,34.5 106.975,34.5 ; 74.7,32.1 74.7,32.875 75.375,32.875 ; 74.7,32.1 75.375,32.1 ; 75.35,33.7 75.95,33.7 75.975,33.725 ; 75.35,33.7 75.35,33.625 75.375,33.6 75.375,32.875 ; 75.375,32.1 75.375,32.875 ; 75.375,32.875 76.05,32.875 ; 75.975,33.725 75.975,33.65 76.05,33.575 76.05,32.875 ; 78.775,52.075 78.775,52.12 79.202,52.548 ; 78.788,53.913 79.238,53.463 ; 78.788,53.913 78.763,53.913 78.341,53.491 78.341,53.409 79.202,52.548 ; 78.788,53.913 79.247,54.372 ; 79.235,54.385 79.26,54.385 ; 79.235,54.385 79.247,54.372 ; 79.238,53.463 79.688,53.013 80.138,52.563 ; 79.238,53.463 79.695,53.92 ; 79.247,54.372 79.695,53.92 ; 79.247,54.372 79.26,54.385 ; 79.26,54.385 80.18,55.305 ; 79.695,53.92 80.63,54.855 ; 79.695,53.92 80.143,53.468 ; 79.9,33.725 80.525,33.725 ; 80.138,52.563 80.625,52.075 ; 80.138,52.563 80.163,52.563 80.603,53.003 ; 80.143,53.468 80.603,53.003 ; 80.18,55.305 80.63,54.855 ; 80.475,42.9 81.125,42.9 ; 80.525,33.725 81.175,33.725 ; 80.55,41.2 81.175,41.2 ; 80.603,53.003 81.075,52.525 ; 80.625,52.075 81.075,52.525 ; 80.63,54.855 81.093,54.393 ; 80.63,54.855 81.077,55.303 ; 81.077,55.303 81.372,55.007 81.372,54.672 ; 81.077,55.303 80.628,55.753 80.164,56.216 80.259,56.216 81.45,55.025 81.45,54.75 81.372,54.672 ; 81.093,54.393 81.135,54.35 81.225,54.44 81.225,54.513 81.372,54.66 81.372,54.672 ; 81.093,54.393 81.372,54.672 ; 81.175,33.725 81.85,33.725 ; 81.85,33.725 81.85,34.475 ; 81.85,33.725 82.5,33.725 ; 82.5,33.725 83.15,33.725 83.175,33.7 ; 83.175,32.45 83.825,32.45 ; 83.175,32.45 83.175,32.95 83.225,33 83.225,33.55 83.175,33.6 83.175,33.7 ; 83.175,33.7 83.175,33.925 ; 83.175,33.925 83.775,33.925 83.85,34 ; 83.825,32.45 83.825,33.025 83.95,33.15 83.95,33.9 83.85,34 ; 86.625,60.85 87.1,60.375 ; 89.366,63.559 89.378,63.572 ; 97.15,32.85 97.825,32.85 ; 97.8,33.675 98.475,33.675 ; 97.8,33.675 97.8,34.3 97.825,34.325 97.825,34.475 ; 97.8,33.675 97.8,33.5 97.825,33.475 97.825,32.85 ; 97.825,32.15 97.825,32.85 ; 97.825,32.85 98.463,32.85 ; 97.825,34.475 98.475,34.475 ; 98.463,32.85 98.463,33.37 98.475,33.382 98.475,33.675 ; 98.463,32.85 99.125,32.85 ; 98.475,33.675 99.125,33.675 ; 98.475,33.675 98.475,34.475 ; 98.475,34.475 99.125,34.475 ; 99.092,32.15 99.092,32.542 99.125,32.575 99.125,32.85 ; 99.125,32.85 99.125,33.675 ; 99.125,33.675 99.775,33.675 ; 99.125,33.675 99.125,34.475 ; 99.125,34.475 99.775,34.475 ; 99.775,33.675 99.775,31.5 99.85,31.425 100.45,31.425 ; 99.775,33.675 99.775,34.475 ; 99.775,33.675 100.45,33.675 100.536,33.761 100.815,33.761 100.829,33.775 101.025,33.775 ; 101.025,33.775 101.675,33.775 ; 101.675,33.775 102.375,33.775 ; 102.375,33.775 102.375,33.929 102.374,33.93 102.374,34.178 102.375,34.179 102.375,34.375 ; 102.375,33.775 102.529,33.775 102.55,33.754 102.798,33.754 102.819,33.775 103,33.775 ; 102.375,34.375 102.45,34.45 102.925,34.45 ; 102.925,34.45 102.925,34.325 103,34.25 103,33.775 ; 103,33.775 103.075,33.775 103.125,33.725 105.625,33.725 ; 103.025,28.875 102.384,28.875 102.325,28.934 102.325,29.591 102.384,29.65 103.025,29.65 103.025,28.875 ; 104.35,34.5 104.975,34.5 105,34.475 105.55,34.475 ; 105.55,34.475 105.625,34.475 ; 105.625,33.725 106.3,33.725 ; 105.625,33.725 105.625,34.475 ; 105.625,34.475 106.3,34.475 ; 106.3,33.725 106.3,34.475 ; 106.3,34.475 106.325,34.5 106.975,34.5